# Altium PCB 一体机V1.PcbDoc (part 1 of 5) (continued)
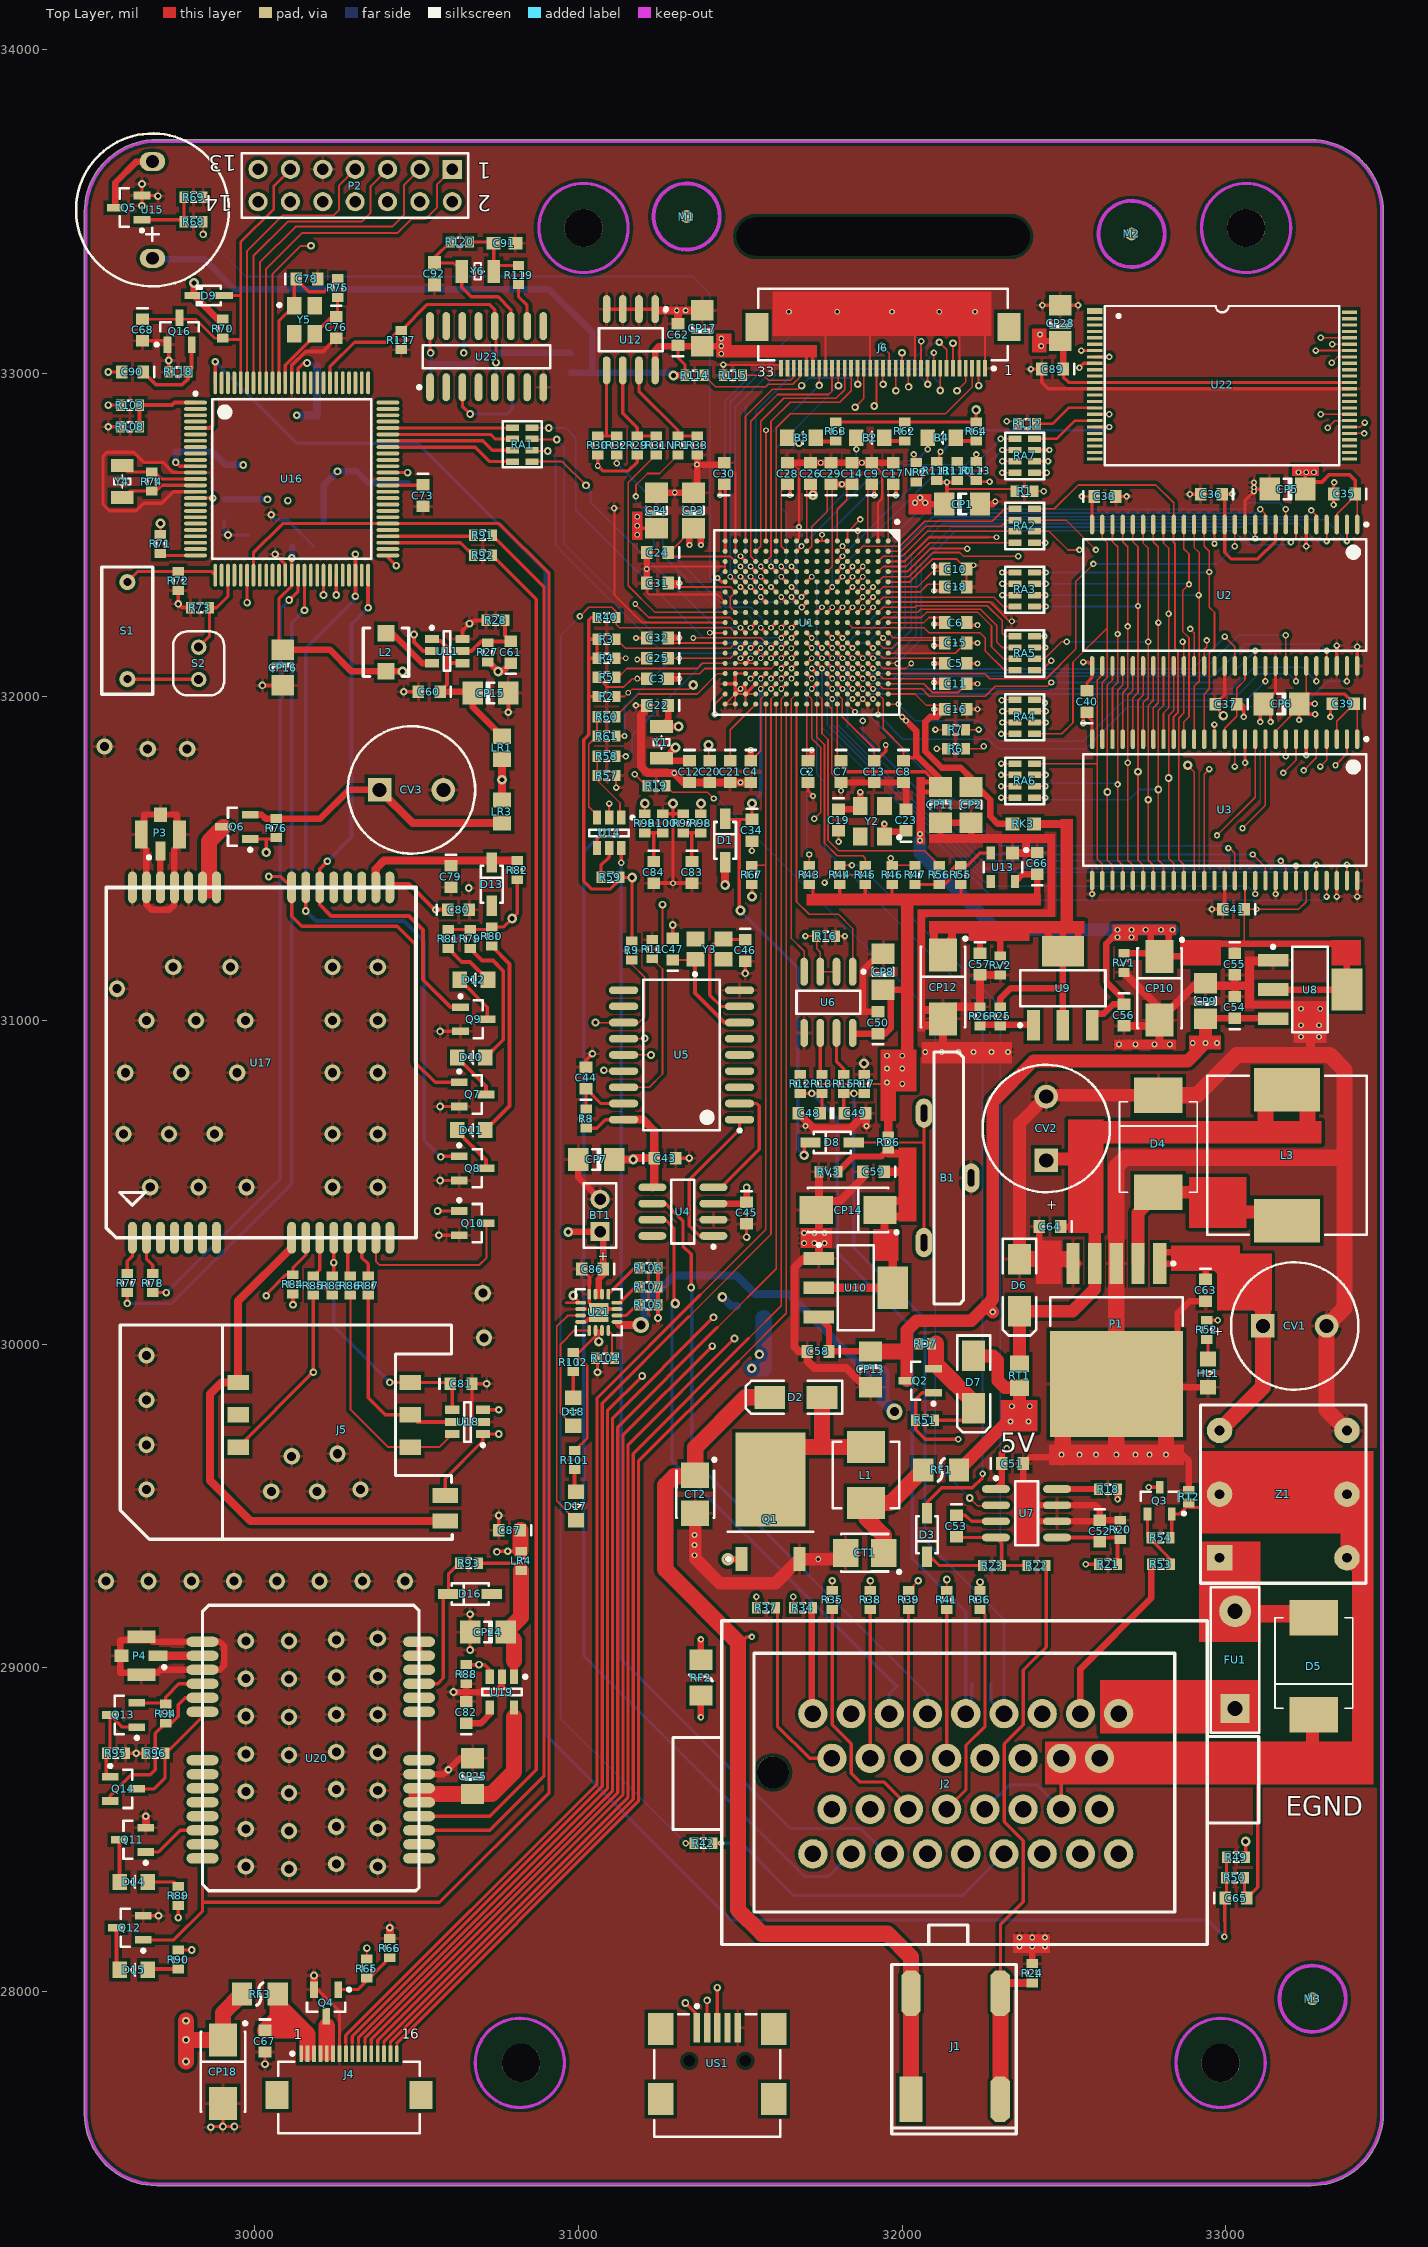
[diagram p0: Top Layer view]
## Components (designator, comment, footprint, x,y, rotation, side; value= is the part's Value field where it differs from the comment) (continued)
CP28 "10uF/16V" 3216[1206] 32488.9,33154.72 r90 top
CT1 "2.2uF/50V" 3528 31884.57,29355.51 r180 top
CT2 "2.2uF/50V" 3528 31360.95,29536.61 r270 top
CV1 "220uF/50V" CAPPR5-10x20/H1.1 33213.31,30056.3 r0 top
CV2 "470uF/35V" CAPPR5-10x20/H1.1 32445.59,30666.53 r90 top
CV3 "EEUFC1A122" CAPPR5-10x20/H1.1 30484.25,31712.6 r0 top
D1 "IN4148W" SOD123 31453.47,31556.3 r90 top
D2 "SS14" SMA 31671.97,29835.83 r180 top
D3 "IN4148W" SOD123 32077.48,29410.63 r270 top
D4 "SK56" DIODE_SMC 32792.05,30619.29 r270 top
D5 "SM8S48" DIODE_SMC 33272.36,29005.12 r90 top
D6 "P4SMA6.8A" SMA 32362.91,30182.28 r270 top
D7 "SS14" SMA 32221.18,29883.07 r270 top
D8 "IN4148W" SOD123 31784.17,30623.23 r180 top
D9 "1N4148W-V-GS08" SOD323 29858.27,33240.16 r180 top
D10 "LED2" 0805LED 30669.29,30885.83 r180 top
D11 "LED2" 0805LED 30669.29,30661.42 r180 top
D12 "LED2" 0805LED 30677.17,31125.98 r180 top
D13 "IN4148W" SOD123 30732.28,31421.26 r90 top
D14 "LED2" 0805LED 29625.98,28338.58 r180 top
D15 "LED2" 0805LED 29625.98,28066.93 r180 top
D16 "IN4148W" SOD123 30665.35,29228.35 r180 top
D17 "LED2" 0805LED 30992.13,29500 r270 top
D18 "LED2" 0805LED 30984.25,29791.34 r270 top
D19 "IN5408" DO-214AB/SMC 31791.34,29913.39 r180 bottom
FU1 "F1206HI2000V063T" RAD-0.3 33028.9,29024.53 r90 top
HL1 "RED" 0805LED 32945.59,29910.63 r270 top
J1 "JST" JST 32165.35,27830.71 r180 top
J2 "2-6447232-3" 2-6447232-3 32669.29,28425.2 r0 top locked
J4 "FFC16" FFC/SM0.5-2H16 30291.34,27744.09 r0 top
J5 "MUP-C745" MUP-C745 30480.32,29881.89 r270 top
J6 "FFC33" FFC/SM0.5-2H33 31940.94,33078.74 r180 top
L1 "CDRH5D28R/H125-330" INDP5050X28N 31888.51,29595.67 r90 top
L2 "CDRH2D18/HPNP-100NC" INDP3232 30405.51,32137.8 r90 top
L3 "B82477P4683M000" INDP125125X85N 33189.69,30583.86 r90 top
LR1 "MPZ2012S221A" 2012[0805]#1 30763.78,31842.52 r270 top
LR3 "MPZ2012S221A" 2012[0805]#1 30763.78,31645.67 r270 top
LR4 "MPZ1608S331A" 1608[0603]RV 30822.83,29330.71 r90 top
M1 "MARK" Mark 31334.65,33484.25 r0 top
M2 "MARK" Mark 32709.37,33430.31 r0 top
M3 "MARK" Mark 33268.43,27977.56 r0 top
NR1 "22R" 1608[0603]R 31307.8,32776.77 r270 top
NR2 "22R" 1608[0603]R 32044.02,32694.09 r90 top
P1 "LM2596SX-5.0" TS5B_N 32662.13,30012.99 r270 top
P2 "Header 7X2" HDR2X7 30610.24,33629.92 r180 top
P3 "COAX-M" MHF[MCB3]-V4 29708.66,31574.8 r0 top
P4 "COAX-M" MHF[MCB3]-V4 29649.61,29037.36 r90 top
Q1 "STU3030" TO-252AA_N 31593.23,29512.99 r90 top
Q2 "AO3416" SOT23_N 32055.83,29887.01 r180 top
Q3 "MMBT3904" SOT23-NPN 32795.99,29516.93 r0 top
Q4 "AO3416" SOT23_N 30220.47,27964.57 r270 top
Q5 "AO3416" SOT23_N 29610.24,33511.81 r180 top
Q6 "AO3401A" SOT23_N 29944.88,31598.43 r180 top
Q7 "PDTC143ET" SOT23_N 30673.23,30771.65 r0 top
Q8 "PDTC143ET" SOT23_N 30673.23,30543.31 r0 top
Q9 "PDTC143ET" SOT23_N 30677.17,31003.94 r0 top
Q10 "PDTC143ET" SOT23_N 30673.23,30374.02 r0 top
Q11 "PDTC143ET" SOT23_N 29622.05,28468.5 r180 top
Q12 "PDTC143ET" SOT23_N 29614.17,28196.85 r180 top
Q13 "MMBT3096" SOT23_N 29594.49,28854.33 r180 top
Q14 "MMBT3096" SOT23_N 29594.49,28625.98 r0 top
Q15 "AO3401A" SOT23_N 31531.5,30118.11 r180 bottom
Q16 "2N3904" SOT23_N 29767.72,33129.92 r90 top
R1 "10K" 1608[0603]R 32378.66,32635.04 r0 top
R2 "10K" 1608[0603]R 31087.32,32001.18 r0 top
R3 "10K" 1608[0603]R 31087.32,32178.35 r0 top
R4 "10K" 1608[0603]R 31087.32,32119.29 r0 top
R5 "10K" 1608[0603]R 31087.32,32060.24 r180 top
R6 "22R" 1608[0603]R 32166.06,31839.76 r0 top
R7 "22R" 1608[0603]R 32166.06,31898.82 r0 top
R8 "10K" 1608[0603]R 31023.62,30696.85 r90 top
R9 "100K" 1608[0603]R 31165.35,31216.54 r270 top
R10 "120R" 1608[0603]R 32015.75,28944.88 r0 bottom
R11 "100K" 1608[0603]R 31228.35,31220.47 r90 top
R12 "1K" 1608[0603]R 31685.75,30804.33 r90 top
R13 "22R" 1608[0603]R 31752.68,30804.33 r90 top
R14 "120R" 1608[0603]R 32244.8,28950 r0 bottom
R15 "22R" 1608[0603]R 31819.61,30804.33 r90 top
R16 "10K" 1608[0603]R 31764.49,31261.02 r0 top
R17 "1K" 1608[0603]R 31882.6,30804.33 r90 top
R18 "22R" 1608[0603]R 32636.54,29552.36 r180 top
R19 "22R" 1608[0603]R 31240.87,31725.59 r0 top
R20 "15K" 1608[0603]R 32673.94,29426.38 r270 top
R21 "300K" 1608[0603]R 32636.54,29320.08 r0 top
R22 "15K" 1608[0603]R 32416.06,29316.14 r180 top
R23 "300K" 1608[0603]R 32278.27,29316.14 r180 top
R24 "2R" 1608[0603]R 32402.28,28056.3 r90 top
R25 "510R" 1608[0603]R 32303.86,31012.99 r270 top
R26 "22R" 1608[0603]R 32240.87,31012.99 r90 top
R27 "TNPW0603453KBEEN" 1608[0603]R 30720.47,32137.8 r90 top
R28 "CRCW0603100KFKEA" 1608[0603]R 30744.09,32236.22 r180 top
R29 "10K" 1608[0603]R 31181.81,32776.77 r90 top
R30 "10K" 1608[0603]R 31059.77,32776.77 r90 top
R31 "22R" 1608[0603]R 31240.87,32776.77 r270 top
R32 "22R" 1608[0603]R 31118.82,32776.77 r270 top
R33 "10K" 1608[0603]R 31366.85,32776.77 r90 top
R34 "2R" 1608[0603]R 31693.62,29186.22 r180 top
R35 "2R" 1608[0603]R 31784.17,29209.84 r90 top
R36 "2R" 1608[0603]R 32240.87,29209.84 r90 top
R37 "2R" 1608[0603]R 31579.45,29186.22 r180 top
R38 "2R" 1608[0603]R 31902.28,29209.84 r90 top
R39 "2R" 1608[0603]R 32020.39,29209.84 r90 top
R40 "470K" 1608[0603]R 31087.32,32245.27 r0 top
R41 "2R" 1608[0603]R 32138.51,29209.84 r90 top
R42 "2R" 1608[0603]R 31386.54,28457.87 r180 top
R43 "10K" 1608[0603]R 31713.31,31450 r90 top
R44 "10K" 1608[0603]R 31807.8,31450 r90 top
R45 "10K" 1608[0603]R 31886.54,31450 r90 top
R46 "10K" 1608[0603]R 31969.21,31450 r90 top
R47 "510R" 1608[0603]R 32040.08,31450 r270 top
R49 "1M" 1608[0603]R 33032.21,28414.57 r0 top
R50 "47K" 1608[0603]R 33028.27,28351.57 r180 top
R51 "470K" 1608[0603]R 32071.58,29764.96 r180 top
R52 "10K" 1608[0603]R 32941.65,30044.49 r90 top
R53 "47K" 1608[0603]R 32799.92,29320.08 r0 top
R54 "10K" 1608[0603]R 32799.21,29401.57 r0 top
R55 "100K" 1608[0603]R 32181.81,31450 r90 top
R56 "22R" 1608[0603]R 32114.88,31450 r90 top
R57 "300K" 1608[0603]R 31087.32,31757.09 r0 top
R58 "22R" 1608[0603]R 31087.32,31816.14 r180 top
R59 "22R" 1608[0603]R 31099.14,31442.12 r0 top
R60 "22R" 1608[0603]R 31087.32,31938.19 r180 top
R61 "1.5K" 1608[0603]R 31087.32,31879.13 r0 top
R62 "1K" 1608[0603]R 32008.39,32820.08 r90 top
R63 "1K" 1608[0603]R 31795.79,32820.08 r90 top
R64 "1K" 1608[0603]R 32228.86,32820.08 r90 top
R65 "22R" 1608[0603]R 30346.46,28070.87 r90 top
R66 "470K" 1608[0603]R 30417.32,28133.86 r90 top
R67 "10K" 1608[0603]R 31536.14,31450 r90 top
R68 "22R" 1608[0603]R 29811.02,33468.5 r180 top
R69 "470K" 1608[0603]R 29811.02,33543.31 r0 top
R70 "CRCW060310K0FKEA" 1608[0603]R 29901.57,33137.8 r270 top
R71 "10K" 1608[0603]R 29708.66,32472.44 r270 top
R72 "CRCW06031M00FKEA" 1608[0603]R 29763.78,32358.27 r90 top
R73 "CRCW0603100KFKEA" 1608[0603]R 29830.71,32275.59 r0 top
R74 "10M" 1608[0603]R 29681.1,32665.35 r90 top
R75 "10M" 1608[0603]R 30255.91,33263.78 r270 top
R76 "CRCW0603100KFKEA" 1608[0603]R 30066.93,31594.49 r270 top
R77 "0R" 1608[0603]R 29606.3,30188.98 r270 top
R78 "0R" 1608[0603]R 29685.04,30188.98 r270 top
R79 "10K" 1608[0603]R 30665.35,31251.97 r90 top
R80 "10K" 1608[0603]R 30732.28,31259.84 r90 top
R81 "10K" 1608[0603]R 30598.43,31251.97 r90 top
R82 "10K" 1608[0603]R 30811.02,31464.57 r270 top
R83 "100K" 1608[0603]R 30240.16,30181.1 r270 top
R84 "100K" 1608[0603]R 30118.11,30185.04 r90 top
R85 "22R" 1608[0603]R 30181.1,30181.1 r270 top
R86 "22R" 1608[0603]R 30295.28,30181.1 r270 top
R87 "22R" 1608[0603]R 30350.39,30181.1 r270 top
R88 "100K" 1608[0603]R 30653.54,28980.31 r270 top
R89 "10K" 1608[0603]R 29763.78,28295.28 r270 top
R90 "10K" 1608[0603]R 29763.78,28098.43 r90 top
R91 "0R" 1608[0603]R 30704.72,32500 r180 top
R92 "0R" 1608[0603]R 30704.72,32437.01 r180 top
R93 "10K" 1608[0603]R 30661.42,29322.83 r0 top
R94 "22R" 1608[0603]R 29724.41,28858.27 r270 top
R95 "10K" 1608[0603]R 29570.87,28736.22 r180 top
R96 "100K" 1608[0603]R 29692.91,28736.22 r180 top
R97 "15K" 1608[0603]R 31323.54,31609.45 r90 top
R98 "22R" 1608[0603]R 31378.66,31609.45 r270 top
R99 "22R" 1608[0603]R 31205.43,31609.45 r270 top
R100 "15K" 1608[0603]R 31260.55,31609.45 r90 top
R101 "10K" 1608[0603]R 30988.19,29641.73 r90 top
R102 "10K" 1608[0603]R 30984.25,29944.88 r90 top
R103 "470K" 1608[0603]R 29614.17,32901.57 r0 top
R104 "1K1" 1608[0603]R 31082.68,29956.69 r180 top
R105 "51K" 1608[0603]R 31216.54,30122.05 r0 top
R106 "10K" 1608[0603]R 31216.54,30236.22 r0 top
R107 "680R" 1608[0603]R 31216.54,30177.17 r0 top
R108 "470K" 1608[0603]R 29614.17,32834.65 r180 top
R109 "CRCW0603100KFKEA" 1608[0603]R 31653.54,30122.05 r90 bottom
R110 "10K" 1608[0603]R 32170,32698.03 r90 top
R111 "100K" 1608[0603]R 32107.01,32698.03 r90 top
R112 "22R" 1608[0603]R 32386.54,32843.7 r180 top
R113 "22R" 1608[0603]R 32229.06,32698.03 r90 top
R114 "0R" 1608[0603]R 31358.98,32993.31 r0 top
R115 "0R" 1608[0603]R 31477.09,32993.31 r180 top
R116 "0R" 1608[0603]R 30976.38,33031.5 r90 bottom
R117 "100K" 1608[0603]R 30452.76,33102.36 r90 top
R118 "CRCW0603100KFKEA" 1608[0603]R 29763.78,33003.94 r180 top
R119 "CRCW0603100KFKEA" 1608[0603]R 30814.96,33303.15 r90 top
R120 "10M" 1608[0603]R 30633.86,33405.51 r0 top
RA1 "22R" R-AR4 30826.77,32779.53 r270 top
RA2 "22R" R-AR4 32378.66,32528.74 r90 top
RA3 "22R" R-AR4 32378.66,32331.89 r90 top
RA4 "22R" R-AR4 32378.66,31938.19 r90 top
RA5 "22R" R-AR4 32378.66,32135.04 r90 top
RA6 "22R" R-AR4 32378.66,31741.34 r90 top
RA7 "22R" R-AR4 32378.66,32745.27 r90 top
RD6 "0R" 1608[0603]RD 31957.4,30623.23 r90 top
RD7 "0R" 1608[0603]RD 32071.58,30001.18 r180 top
RF1 "NanoSMDC100F" 2012[0805]F 32120.79,29611.42 r180 top
RF2 "NanoSMDC035F" 2012[0805]F 31378.66,28969.68 r90 top
RF3 "NanoSMDC020F" 2012[0805]F 30015.75,27992.13 r180 top
RK3 "0R" 0603RT 32374.73,31607.48 r180 top
RT1 "0R" 2012[0805]#2 32362.91,29902.75 r270 top
RT2 "0R" 1608[0603]RD 32886.54,29528.74 r90 top
RV1 "8(6.4 to 9.6)" 1608[0603]RV 32685.75,31178.35 r90 top
RV2 "8(6.4 to 9.6)" 1608[0603]RV 32303.86,31170.47 r90 top
RV3 "8(6.4 to 9.6)" 1608[0603]RV 31772.36,30532.68 r0 top
S1 "SW-420" SW-420 29606.3,32204.72 r270 top
S2 "GM4526" GM4526 29826.77,32153.54 r270 top
U1 "S3C2440X" BGA289 31705.43,32229.53 r270 top
U2 "K4S561632C-TC75 (32MB)" TSOP80P1180X120-54N 32996.77,32314.17 r270 top
U3 "K4S561632C-TC75 (32MB)" TSOP80P1180X120-54N 32996.77,31650.79 r270 top
U4 "TJA1051T/3" SOIC-SN8_N 31322.83,30409.45 r180 top
U5 "MCP2515-E/SO" SOIC18W_N 31318.9,30893.7 r180 top
U6 "MAX3483E" NSO8_N 31772.36,31056.3 r270 top
U7 "BIT3251" SOIC-SN8_N 32384.57,29477.56 r0 top
U8 "LM1117IMPX-3.3/NOPB" MP04A_N 33260.55,31095.67 r0 top
U9 "LM1117IMPX-ADJ/NOPB" MP04A_N 32496.77,31099.61 r90 top
U10 "LM1117IMPX-3.3/NOPB" MP04A_N 31857.01,30174.41 r0 top
U11 "LTC3560ES6#TRMPBF" SOT26A-6N 30594.49,32141.73 r0 top
U12 "24C64CT/SN" SOIC8_N 31162.13,33103.54 r270 top
U13 "MAX811-EUS-T" SOT143_N 32311.73,31473.62 r270 top
U14 "USBLC6-2SC6" SOT26A-6N 31095.2,31579.92 r270 top
U15 "SPEAKER" Speaker 29683.9,33504.53 r90 top
U16 "MSP430F5438IPZ" TQFP100_N 30114.17,32673.23 r0 top
U17 "M72-D" M72D 30019.69,30870.08 r90 top
U18 "SMF05CT1G" SOT23-6_N 30657.48,29759.84 r180 top
U19 "LTC1844ES5-3.3" SOT23-5BN 30763.78,28925.2 r270 top
U20 "EB-5662RE" EB-5662RE 30173.23,28728.35 r0 top
U21 "BQ24073" BQ24073 31062.99,30098.43 r270 top
U22 "HY27UF082G2B" TSOP48 32988.9,32961.81 r0 top
U23 "CD4060BM" SOIC16_N 30716.54,33051.18 r90 top
U24 "CD4060BM" SOIC16_N 30720.47,33035.43 r270 bottom
US1 "USB-B" USB/SM0.8-6H5 31429.13,27578.74 r270 top
Y1 "FC-135" FC-135 31256.62,31859.45 r270 top
Y2 "FA-238V" FA-238V 31945.59,31568.11 r90 top
Y3 "FA-238" FA-238 31405.51,31220.47 r0 top
Y4 "FC-135_32.768K" FC-135 29590.55,32665.35 r90 top
Y5 "FA-238_16M" FA-238 30153.54,33165.35 r270 top
Y6 "FC-135_32.768K" FC-135 30688.98,33314.96 r0 top
Z1 "CXDA1-2-100" CXDA1-2-100 32981.03,29339.76 r0 top

## Footprints (in the part's own frame and the unit in brackets; to place one, negate y for a bottom-side part, rotate by r counter-clockwise, add the part's x,y. Pads: shape width x height; smd on the part's side, far side on the other; paste and mask are expansions set on the pad)
2-6447232-3 [mm]
  round 2.3 hole 1.3: 1(0,0) 2(-3,0) 3(-6,0) 4(-9,0) 5(-12,0) 6(-15,0) 7(-18,0) 8(-21,0) 9(-24,0) 10(-1.5,3.5) 11(-4.5,3.5) 12(-7.5,3.5) 13(-10.5,3.5) 14(-13.5,3.5) 15(-16.5,3.5) 16(-19.5,3.5) 17(-22.5,3.5) 18(-1.5,7.5) 19(-4.5,7.5) 20(-7.5,7.5) 21(-10.5,7.5) 22(-13.5,7.5) 23(-16.5,7.5) 24(-19.5,7.5) 25(-22.5,7.5) 26(0,11) 27(-3,11) 28(-6,11) 29(-9,11) 30(-12,11) 31(-15,11) 32(-18,11) 33(-21,11) 34(-24,11)
  round 2.5 hole 2.5 unplated: ""(-27.135,6.393)
  silkscreen extent -34.98,-7.11 11,18.29, body extent -34.97,-7.14 10.99,18.36, height 25
0603RT [mm]
  rect 1.1x1 smd: 1(-0.85,0) 2(0.85,0)
  body extent -1.3,-0.5 1.3,0.5, height 0.53
0805LED [mil]
  rect 45x50 smd: 1(-43.5,0) 2(43.5,0)
  silkscreen extent -5,-20 10,20, body extent -41,-18 41,18, height 33
1608[0603]#1 [mm]
  rect 0.9x1 smd: 1(-0.85,0) 2(0.85,0)
  silkscreen extent -1.7,-0.4 -1.7,0.4, body extent -1.3,-0.5 1.3,0.5, height 0.89
1608[0603]#2 [mm] "Chip  Body 1.6x0.8mm, IPC Medium Density"
  rect 1.1x1 smd: 1(-0.85,0) 2(0.85,0)
  body extent -1.3,-0.5 1.3,0.5, height 0.53
1608[0603]C [mm]
  rect 0.9x1 smd: 1(-0.85,0) 2(0.85,0)
  silkscreen extent -1.7,-0.4 -1.7,0.4, body extent -1.3,-0.5 1.3,0.5, height 0.89
1608[0603]CA [mm]
  rect 0.9x1 smd: 1(-0.85,0) 2(0.85,0)
  silkscreen extent -1.7,-0.4 0.05,0.4, body extent -1.3,-0.5 1.3,0.5, height 0.89
1608[0603]R [mm] "Chip Resistor, Body 1.6x0.8mm, IPC Medium Density"
  rect 0.7x0.9 smd: 1(-0.75,0) 2(0.75,0)
  silkscreen extent -0.2,-0.35 0.2,0.35, body extent -0.77,-0.42 0.78,0.43, height 0.45
1608[0603]RD [mm] "Chip Resistor, Body 1.6x0.8mm, IPC Medium Density"
  rect 0.7x0.9 smd: 1(-0.508,0) 2(0.508,0)
  silkscreen extent -0.15,0 0.13,0, body extent -0.77,-0.42 0.78,0.43, height 0.45
1608[0603]RV [mm] "Chip Resistor, Body 1.6x0.8mm, IPC Medium Density"
  rect 0.7x0.9 smd: 1(-0.75,0) 2(0.75,0)
  silkscreen extent -0.19,-0.37 0.18,0.4, body extent -0.77,-0.42 0.78,0.43, height 0.45
2012[0805]#1 [mm] "Chip  Body 2.0x1.3mm, IPC Medium Density"
  rect 1.2x1.4 smd: 1(-0.9,0) 2(0.9,0)
  body extent -1.07,-0.7 1.07,0.7, height 0.65
2012[0805]#2 [mm]
  rect 1.3x1.5 smd: 1(-0.95,0) 2(0.95,0)
  body extent -1.51,-0.7 1.49,0.7, height 0.53
2012[0805]F [mm]
  rect 1.6x1.8 smd: 1(-1.4,0) 2(1.4,0)
  silkscreen extent -0.25,-0.89 0.25,0.89, body extent -2.12,-0.9 2.08,0.9, height 0.63
3216[1206] [mm]
  rect 1.6x1.8 smd: 1(-1.4,0) 2(1.4,0)
  silkscreen extent -0.3,-0.8 0.3,0.8, body extent -2.1,-0.9 2.1,0.9, height 0.95
3216[1206]CB [mm]
  rect 1.6x1.8 smd: 1(-1.4,0) 2(1.4,0)
  silkscreen extent -0.3,-0.8 0.3,0.8, body extent -2.1,-0.9 2.1,0.9, height 0.95
3528 [mm]
  rect 2x2.2 smd: 1(-1.5,0) 2(1.5,0)
  silkscreen extent -2.83,-1.5 1.85,1.62, body extent -1.79,-1.31 1.9,1.51, height 2.74
6032[2312]CC [mm]
  rect 2.6x2.2 smd: 1(-2.5,0) 2(2.5,0)
  silkscreen extent -3.92,-1.75 3.15,1.88, body extent -3.13,-1.56 3.05,1.65, height 2.22
BAT-2 [mm]
  rect 1.5x1.5 hole 0.9: 1(-1.27,0)
  round 1.5 hole 0.9: 2(1.27,0)
  silkscreen extent -2.54,-1.27 2.54,1.27
BGA289 [mm] "BGA, 289-Leads, B"
  round 0.4 smd: A1(-6.4,6.4) A2(-5.6,6.4) A3(-4.8,6.4) A4(-4,6.4) A5(-3.2,6.4) A6(-2.4,6.4) A7(-1.6,6.4) A8(-0.8,6.4) A9(0,6.4) A10(0.8,6.4) A11(1.6,6.4) A12(2.4,6.4) A13(3.2,6.4) A14(4,6.4) A15(4.8,6.4) A16(5.6,6.4) A17(6.4,6.4) B1(-6.4,5.6) B2(-5.6,5.6) B3(-4.8,5.6) B4(-4,5.6) B5(-3.2,5.6) B6(-2.4,5.6) B7(-1.6,5.6) B8(-0.8,5.6) B9(0,5.6) B10(0.8,5.6) B11(1.6,5.6) B12(2.4,5.6) B13(3.2,5.6) B14(4,5.6) B15(4.8,5.6) B16(5.6,5.6) B17(6.4,5.6) C1(-6.4,4.8) C2(-5.6,4.8) C3(-4.8,4.8) C4(-4,4.8) C5(-3.2,4.8) C6(-2.4,4.8) C7(-1.6,4.8) C8(-0.8,4.8) C9(0,4.8) C10(0.8,4.8) C11(1.6,4.8) C12(2.4,4.8) C13(3.2,4.8) C14(4,4.8) C15(4.8,4.8) C16(5.6,4.8) C17(6.4,4.8) D1(-6.4,4) D2(-5.6,4) D3(-4.8,4) D4(-4,4) D5(-3.2,4) D6(-2.4,4) D7(-1.6,4) D8(-0.8,4) D9(0,4) D10(0.8,4) D11(1.6,4) D12(2.4,4) D13(3.2,4) D14(4,4) D15(4.8,4) D16(5.6,4) D17(6.4,4) E1(-6.4,3.2) E2(-5.6,3.2) E3(-4.8,3.2) E4(-4,3.2) E5(-3.2,3.2) E6(-2.4,3.2) E7(-1.6,3.2) E8(-0.8,3.2) E9(0,3.2) E10(0.8,3.2) E11(1.6,3.2) E12(2.4,3.2) E13(3.2,3.2) E14(4,3.2) E15(4.8,3.2) E16(5.6,3.2) E17(6.4,3.2) F1(-6.4,2.4) F2(-5.6,2.4) F3(-4.8,2.4) F4(-4,2.4) F5(-3.2,2.4) F6(-2.4,2.4) F7(-1.6,2.4) F8(-0.8,2.4) F9(0,2.4) F10(0.8,2.4) F11(1.6,2.4) F12(2.4,2.4) F13(3.2,2.4) F14(4,2.4) F15(4.8,2.4) F16(5.6,2.4) F17(6.4,2.4) G1(-6.4,1.6) G2(-5.6,1.6) G3(-4.8,1.6) G4(-4,1.6) G5(-3.2,1.6) G6(-2.4,1.6) G7(-1.6,1.6) G8(-0.8,1.6) G9(0,1.6) G10(0.8,1.6) G11(1.6,1.6) G12(2.4,1.6) G13(3.2,1.6) G14(4,1.6) G15(4.8,1.6) G16(5.6,1.6) G17(6.4,1.6) H1(-6.4,0.8) H2(-5.6,0.8) H3(-4.8,0.8) H4(-4,0.8) H5(-3.2,0.8) H6(-2.4,0.8) H7(-1.6,0.8) H8(-0.8,0.8) H9(0,0.8) H10(0.8,0.8) H11(1.6,0.8) H12(2.4,0.8) H13(3.2,0.8) H14(4,0.8) H15(4.8,0.8) H16(5.6,0.8) H17(6.4,0.8) J1(-6.4,0) J2(-5.6,0) J3(-4.8,0) J4(-4,0) J5(-3.2,0) J6(-2.4,0) J7(-1.6,0) J8(-0.8,0) J9(0,0) J10(0.8,0) J11(1.6,0) J12(2.4,0) J13(3.2,0) J14(4,0) J15(4.8,0) J16(5.6,0) J17(6.4,0) K1(-6.4,-0.8) K2(-5.6,-0.8) K3(-4.8,-0.8) K4(-4,-0.8) K5(-3.2,-0.8) K6(-2.4,-0.8) K7(-1.6,-0.8) K8(-0.8,-0.8) K9(0,-0.8) K10(0.8,-0.8) K11(1.6,-0.8) K12(2.4,-0.8) K13(3.2,-0.8) K14(4,-0.8) K15(4.8,-0.8) K16(5.6,-0.8) K17(6.4,-0.8) L1(-6.4,-1.6) L2(-5.6,-1.6) L3(-4.8,-1.6) L4(-4,-1.6) L5(-3.2,-1.6) L6(-2.4,-1.6) L7(-1.6,-1.6) L8(-0.8,-1.6) L9(0,-1.6) L10(0.8,-1.6) L11(1.6,-1.6) L12(2.4,-1.6) L13(3.2,-1.6) L14(4,-1.6) L15(4.8,-1.6) L16(5.6,-1.6) L17(6.4,-1.6) M1(-6.4,-2.4) M2(-5.6,-2.4) M3(-4.8,-2.4) M4(-4,-2.4) M5(-3.2,-2.4) M6(-2.4,-2.4) M7(-1.6,-2.4) M8(-0.8,-2.4) M9(0,-2.4) M10(0.8,-2.4) M11(1.6,-2.4) M12(2.4,-2.4) M13(3.2,-2.4) M14(4,-2.4) M15(4.8,-2.4) M16(5.6,-2.4) M17(6.4,-2.4) N1(-6.4,-3.2) N2(-5.6,-3.2) N3(-4.8,-3.2) N4(-4,-3.2) N5(-3.2,-3.2) N6(-2.4,-3.2) N7(-1.6,-3.2) N8(-0.8,-3.2) N9(0,-3.2) N10(0.8,-3.2) N11(1.6,-3.2) N12(2.4,-3.2) N13(3.2,-3.2) N14(4,-3.2) N15(4.8,-3.2) N16(5.6,-3.2) N17(6.4,-3.2) P1(-6.4,-4) P2(-5.6,-4) P3(-4.8,-4) P4(-4,-4) P5(-3.2,-4) P6(-2.4,-4) P7(-1.6,-4) P8(-0.8,-4) P9(0,-4) P10(0.8,-4) P11(1.6,-4) P12(2.4,-4) P13(3.2,-4) P14(4,-4) P15(4.8,-4) P16(5.6,-4) P17(6.4,-4) R1(-6.4,-4.8) R2(-5.6,-4.8) R3(-4.8,-4.8) R4(-4,-4.8) R5(-3.2,-4.8) R6(-2.4,-4.8) R7(-1.6,-4.8) R8(-0.8,-4.8) R9(0,-4.8) R10(0.8,-4.8) R11(1.6,-4.8) R12(2.4,-4.8) R13(3.2,-4.8) R14(4,-4.8) R15(4.8,-4.8) R16(5.6,-4.8) R17(6.4,-4.8) T1(-6.4,-5.6) T2(-5.6,-5.6) T3(-4.8,-5.6) T4(-4,-5.6) T5(-3.2,-5.6) T6(-2.4,-5.6) T7(-1.6,-5.6) T8(-0.8,-5.6) T9(0,-5.6) T10(0.8,-5.6) T11(1.6,-5.6) T12(2.4,-5.6) T13(3.2,-5.6) T14(4,-5.6) T15(4.8,-5.6) T16(5.6,-5.6) T17(6.4,-5.6) U1(-6.4,-6.4) U2(-5.6,-6.4) U3(-4.8,-6.4) U4(-4,-6.4) U5(-3.2,-6.4) U6(-2.4,-6.4) U7(-1.6,-6.4) U8(-0.8,-6.4) U9(0,-6.4) U10(0.8,-6.4) U11(1.6,-6.4) U12(2.4,-6.4) U13(3.2,-6.4) U14(4,-6.4) U15(4.8,-6.4) U16(5.6,-6.4) U17(6.4,-6.4)
  silkscreen extent -8.02,-7.25 7.25,7.25, body extent -7.25,-7.25 7.25,7.25, height 1.22
BQ24073 [mm]
  oval 0.85x0.3 smd: 1(-1.425,0.75) 2(-1.425,0.25) 3(-1.425,-0.25) 4(-1.425,-0.75) 9(1.425,-0.75) 10(1.425,-0.25) 11(1.425,0.25) 12(1.425,0.75)
  oval 0.3x0.85 smd: 5(-0.75,-1.425) 6(-0.25,-1.425) 7(0.25,-1.425) 8(0.75,-1.425) 13(0.75,1.425) 14(0.25,1.425) 15(-0.25,1.425) 16(-0.75,1.425)
  rect 1.5x1.5 smd: 8(0,0)
  round 0.3 on Top Overlay: 12(-1.27,1.27)
  round 0.25 all layers, no hole: ""(-0.508,0.508) ""(-0.508,-0.508) ""(0,0) ""(0.508,0.508) ""(0.508,-0.508)
  silkscreen extent -1.8,-1.8 1.8,1.8
BR2032-1GV [mm]
  oval 2.3x1.3 hole 0.5 slot 1.35 at 0 deg: 1(0,0) 1(10.16,0) 2(5.08,3.7)
  silkscreen extent -4.8,0.8 14.99,3.1, body extent -4.93,-0.1 15.09,3.71, height 21.51
CAPPR5-10x20/H1.1 [mm] "Capacitor, Electrolytic, Radial; Body 10 x 20 mm (Dia.xH typ); Pin S"
  rect 1.85x1.85 hole 1.1: 1(-2.5,0)
  round 1.85 hole 1.1: 2(2.5,0)
  silkscreen extent -5,-5 5,5
CXDA1-2-100 [mm]
  rect 2x2 hole 0.762: 1(0,0)
  round 2 hole 0.762: 2(0,5) 3(0,10) 4(10,0) 5(10,5) 6(10,10)
  silkscreen extent -1.5,-2 11.5,12
DIODE_SMC [mil]
  rect 110x150 smd: 1(-150,0) 2(150,0)
  silkscreen extent -130,-120 150,120
DO-214AB/SMC [mil] "DO-214-AB/SMC; 2 C-Bend Leads; Body 7.9 x 5.9 mm, inc. leads (LxW)"
  rect 110x150 smd: 1(-150,0) 2(150,0)
  silkscreen extent -150,-120 130,120, body extent -170,-124 150,124, height 50
EB-5662RE [mm]
  oval 2.5x0.8 smd: 1(8.5,-8.051) 2(8.5,-6.951) 3(8.5,-5.851) 4(8.5,-4.751) 5(8.5,-3.651) 6(8.5,-2.551) 7(8.5,-1.451) 8(8.5,-0.351) 9(8.5,3.449) 10(8.5,4.549) 11(8.5,5.649) 12(8.5,6.749) 13(8.5,7.849) 14(8.5,8.949) 15(-8.5,8.949) 16(-8.5,7.849) 17(-8.5,6.749) 18(-8.5,5.649) 19(-8.5,4.549) 20(-8.5,3.449) 21(-8.5,-0.351) 22(-8.5,-1.451) 23(-8.5,-2.551) 24(-8.5,-3.651) 25(-8.5,-4.751) 26(-8.5,-5.851) 27(-8.5,-6.951) 28(-8.5,-8.051)
  round 1.3 on Top Overlay: 3(5.588,-8.949)
  round 1 on Top Overlay: ""(9.398,-9.33)
  silkscreen extent -8.51,-10.59 8.5,11.81
FA-238 [mm] "Quartz Crystal, SM; Body 3.4 x 2.7 mm (LxW max)"
  rect 1.4x1.15 smd: 1(-1.1,-0.8) 2(1.1,-0.8) 3(1.1,0.8) 4(-1.1,0.8)
  silkscreen extent -1.27,-2.09 -1.02,-1.84
FA-238V [mm] "Quartz Crystal, SM; Body 3.4 x 2.7 mm (LxW max)"
  rect 1.4x1.15 smd: 1(0,0) 2(2.4,0) 3(2.4,1.9) 4(0,1.9)
  silkscreen extent -0.17,-1.29 0.08,-1.04
FC-135 [mm] "Quartz Crystal, SM; 2 Leads; Body 3.5 x 1.5 x 0.8mm (LxWxH)"
  rect 1x1.8 smd: 1(-1.25,0) 2(1.25,0)
  silkscreen extent -0.51,-0.64 0.51,0.64
FFC/SM0.5-2H16 [mm]
  rect 0.3x1.3 smd: 1(-3.75,1.625) 2(-3.25,1.625) 3(-2.75,1.625) 4(-2.25,1.625) 5(-1.75,1.625) 6(-1.25,1.625) 7(-0.75,1.625) 8(-0.25,1.625) 9(0.25,1.625) 10(0.75,1.625) 11(1.25,1.625) 12(1.75,1.625) 13(2.25,1.625) 14(2.75,1.625) 15(3.25,1.625) 16(3.75,1.625)
  rect 1.8x2.2 smd: 17(-5.65,-1.625) 18(5.65,-1.625)
  silkscreen extent -5.55,-4.62 5.55,1.75, body extent -5.55,-4.62 5.55,0.97, height 2
FFC/SM0.5-2H33 [mm]
  rect 0.3x1.3 smd: 1(-8,1.625) 2(-7.5,1.625) 3(-7,1.625) 4(-6.5,1.625) 5(-6,1.625) 6(-5.5,1.625) 7(-5,1.625) 8(-4.5,1.625) 9(-4,1.625) 10(-3.5,1.625) 11(-3,1.625) 12(-2.5,1.625) 13(-2,1.625) 14(-1.5,1.625) 15(-1,1.625) 16(-0.5,1.625) 17(0,1.625) 18(0.5,1.625) 19(1,1.625) 20(1.5,1.625) 21(2,1.625) 22(2.5,1.625) 23(3,1.625) 24(3.5,1.625) 25(4,1.625) 26(4.5,1.625) 27(5,1.625) 28(5.5,1.625) 29(6,1.625) 30(6.5,1.625) 31(7,1.625) 32(7.5,1.625) 33(8,1.625)
  rect 1.8x2.2 smd: 34(-9.9,-1.625) 35(9.9,-1.625)
  silkscreen extent -9.8,-4.63 9.8,1.75, body extent -9.8,-4.62 9.8,0.97, height 2
GM4526 [mm]
  round 1.2 hole 0.7: 1(0,0) 2(2.54,0)
  silkscreen extent -1.23,-2 3.77,2
HDR2X7 [mm] "Connector; Header; 7x2 Position"
  rect 1.5x1.5 hole 0.9: 1(0,0)
  round 1.5 hole 0.9: 2(0,2.54) 3(2.54,0) 4(2.54,2.54) 5(5.08,0) 6(5.08,2.54) 7(7.62,0) 8(7.62,2.54) 9(10.16,0) 10(10.16,2.54) 11(12.7,0) 12(12.7,2.54) 13(15.24,0) 14(15.24,2.54)
  silkscreen extent -1.27,-1.27 16.51,3.81
INDP3232 [mm]
  rect 1.3x1.3 smd: 1(-1.5,0) 2(1.5,0)
  silkscreen extent -1.91,-1.78 1.91,1.78, body extent -2.15,-2.18 2.2,2.18, height 2
INDP5050X28N [mm]
  rect 2.5x3 smd: 1(-2.2,0) 2(2.2,0)
  silkscreen extent -2.6,-2.6 2.6,2.6, body extent -1.56,-1.53 1.51,1.54, height 2
INDP125125X85N [mm]
  rect 3.4x5.2 smd: 1(-5.15,0) 2(5.15,0)
  silkscreen extent -6.25,-6.25 6.25,6.25, body extent -6.11,-6.13 6.19,6.17, height 5.5
JST [mm]
  rect 1.8x3.6 smd: 1(3.5,4.161)
  oct 1.524x3.6 smd: 1(3.5,-4.161) 2(-3.5,4.161) 2(-3.5,-4.161)
  silkscreen extent -4.77,-6.43 5,6.89, body extent -4.84,-6.41 4.99,6.95, height 1.27
M72D [mm]
  oval 2.5x0.7 smd: 1(-13.75,10.1) 2(-13.75,9) 3(-13.75,7.9) 4(-13.75,6.8) 5(-13.75,5.7) 6(-13.75,4.6) 7(-13.75,3.5) 8(-13.75,-2.4) 9(-13.75,-3.5) 10(-13.75,-4.6) 11(-13.75,-5.7) 12(-13.75,-6.8) 13(-13.75,-7.9) 14(-13.75,-9) 15(-13.75,-10.1) 16(13.75,-10.1) 17(13.75,-9) 18(13.75,-7.9) 19(13.75,-6.8) 20(13.75,-5.7) 21(13.75,-4.6) 22(13.75,-3.5) 23(13.75,-2.4) 24(13.75,3.5) 25(13.75,4.6) 26(13.75,5.7) 27(13.75,6.8) 28(13.75,7.9) 29(13.75,9) 30(13.75,10.1)
  silkscreen extent -13.75,-12.15 13.75,12.15
Mark [mm]
  round 1 smd paste+0 mask+2: 1(0,0)
  Top Layer keep-out circle w0.3: c0,0 r2.6
MHF[MCB3]-V4 [mm] "Connector; RF Coaxial, MCB SM; 4 Position; Vertical, Body 3.1x3.0mm (LxW)"
  rect 0.8x1.5 smd: 1(0,-1.3)
  rect 1x2.2 smd: 2(-1.5,0) 4(1.5,0)
  rect 1x1.1 smd: 3(0,1.55)
  silkscreen extent -1.02,-1.92 -0.77,-1.68, body extent -1.3,-1.3 1.3,1.3, height 1.3
MP04A_N [mm] "SOT223, 4-Leads, Body 6.5x3.5mm, Pitch 2.3mm, Lead Span 7mm, IPC Medium Density"
  rect 2.4x1 smd: 1(-2.9,2.3) 2(-2.9,0) 3(-2.9,-2.3)
  rect 2.4x3.3 smd: 4(2.9,0)
  silkscreen extent -3.02,-3.35 1.4,3.47, body extent -1.85,-3.35 1.85,3.35, height 1.8
MUP-C745 [mm]
  rect 1.2x1.7 smd: 1(0,0) 2(2.54,0) 3(5.08,0) 5(0,-13.5) 6(2.54,-13.5) 7(5.08,-13.5)
  oval 1.2x1.7 on Top Overlay: 3(-3.429,1.397)
  rect 1.2x2 smd: 4(8.88,2.75) 8(10.88,2.75)
  silkscreen extent -4.5,-22.75 12.32,3.3
NSO8_N [mm]
  oval 2.2x0.6 smd: 1(-2.4,1.905) 2(-2.4,0.635) 3(-2.4,-0.635) 4(-2.4,-1.905) 5(2.4,-1.905) 6(2.4,-0.635) 7(2.4,0.635) 8(2.4,1.905)
  silkscreen extent -2.52,-2.5 0.9,2.88, body extent -2,-2.5 2,2.5, height 1.75
R-AR4 [mil]
  rect 19.68x40 smd: 1(-52.5,-30) 2(-17.5,-30) 3(17.5,-30) 4(52.5,-30) 5(52.5,30) 6(17.5,30) 7(-17.5,30) 8(-52.5,30)
  silkscreen extent -73,-60 71,60, body extent -63,-33 63,30, height 22
RAD-0.3 [mm]
  rect 2.3x2.3 hole 1.2: 1(-3.81,0)
  round 2.5 hole 1.2: 2(3.81,0)
  silkscreen extent -5.71,-1.91 5.71,1.91
SMA [mm]
  rect 2.4x1.8 smd: 1(-2.05,0) 2(2.05,0)
  silkscreen extent -3.65,-1.3 3.95,1.3
SOD123 [mm] "SOD-123; 2 Leads; Body 2.7 x 1.6 mm, (LxW)"
  rect 1.6x0.8 smd: 1(-1.7,0) 2(1.7,0)
  silkscreen extent -1.45,-0.85 1.45,0.85
SOD323 [mm] "SOD-323/SC-76; 2 Leads; Body 1.7 x 1.3 mm, (LxW)"
  rect 1.45x0.55 smd: 1(-1.175,0) 2(1.175,0)
  silkscreen extent -0.95,-0.75 0.95,0.75
SOIC8_N [mm] "SOIC, 8-Leads, Body 4.9x3.9mm, Pitch 1.27mm, IPC Medium Density"
  oval 2.2x0.6 smd: 1(-2.4,1.905) 2(-2.4,0.635) 3(-2.4,-0.635) 4(-2.4,-1.905) 5(2.4,-1.905) 6(2.4,-0.635) 7(2.4,0.635) 8(2.4,1.905)
  silkscreen extent -2.52,-2.5 0.9,2.88, body extent -3,-2.45 3,2.45, height 1.7
SOIC16_N [mm] "SOIC, 16-Leads, Body 9.9x3.9mm, Pitch 1.27mm, IPC Medium Density"
  oval 2.2x0.6 smd: 1(-2.4,4.445) 2(-2.4,3.175) 3(-2.4,1.905) 4(-2.4,0.635) 5(-2.4,-0.635) 6(-2.4,-1.905) 7(-2.4,-3.175) 8(-2.4,-4.445) 9(2.4,-4.445) 10(2.4,-3.175) 11(2.4,-1.905) 12(2.4,-0.635) 13(2.4,0.635) 14(2.4,1.905) 15(2.4,3.175) 16(2.4,4.445)
  silkscreen extent -2.52,-5 0.9,5.42, body extent -2,-5 2,5, height 1.75
SOIC18W_N [mm] "SOIC, 18-Leads, Body 12x7.62mm, Pitch 1.27mm, IPC Medium Density"
  oval 2.3x0.6 smd: 1(-4.55,5.08) 2(-4.55,3.81) 3(-4.55,2.54) 4(-4.55,1.27) 5(-4.55,0) 6(-4.55,-1.27) 7(-4.55,-2.54) 8(-4.55,-3.81) 9(-4.55,-5.08) 10(4.55,-5.08) 11(4.55,-3.81) 12(4.55,-2.54) 13(4.55,-1.27) 14(4.55,0) 15(4.55,1.27) 16(4.55,2.54) 17(4.55,3.81) 18(4.55,5.08)
  silkscreen extent -4.67,-5.9 3,6.05, body extent -3.8,-5.95 3.8,5.95, height 2.65
SOIC-SN8_N [mm]
  oval 2.2x0.6 smd: 1(-2.4,1.905) 2(-2.4,0.635) 3(-2.4,-0.635) 4(-2.4,-1.905) 5(2.4,-1.905) 6(2.4,-0.635) 7(2.4,0.635) 8(2.4,1.905)
  silkscreen extent -2.53,-2.5 0.9,2.88, body extent -3,-2.45 3,2.45, height 1.7
SOT23-5BN [mm] "SOT23, 5-Leads, Body 2.9x1.6mm, P"
  rect 1.1x0.65 smd: 1(-1.2,0.95) 2(-1.2,0) 3(-1.2,-0.95) 4(1.2,-0.95) 5(1.2,0.95)
  silkscreen extent -1.32,-1.55 0.25,1.95, body extent -0.9,-1.55 0.9,1.55, height 1.19
SOT23-6_N [mm] "SOT23, 6-Leads, Body 2.9x1.6mm, Pitch 0.95mm, Lead Span 2.7mm, IPC Medium Density"
  rect 1.1x0.65 smd: 1(-1.2,0.95) 2(-1.2,0) 3(-1.2,-0.95) 4(1.2,-0.95) 5(1.2,0) 6(1.2,0.95)
  silkscreen extent -1.33,-1.55 0.25,1.95, body extent -0.9,-1.55 0.9,1.55, height 1.45
SOT23-NPN [mm]
  rect 0.6x1 smd: 1(0.95,-1.05) 2(-0.95,-1.05) 3(0,1.05)
  silkscreen extent -1.5,-1.14 2.03,0.7
SOT23_N [mm] "SOT23, 3-Leads, Body 2.9x1.3mm, Pitch 0.95mm, Lead Span 2.3mm, IPC Medium Density"
  rect 1.3x0.6 smd: 1(-1.05,0.95) 2(-1.05,-0.95) 3(1.05,0)
  silkscreen extent -1.18,-1.5 0.7,1.92, body extent -0.7,-1.5 0.7,1.5, height 1.1
SOT26A-6N [mm] "SOT23, 6-Leads, Body 2.9x1.7mm, Pitch 0.95mm, Lead Span 2.8mm, IPC Medium Density"
  rect 1.1x0.65 smd: 1(-1.2,0.95) 2(-1.2,0) 3(-1.2,-0.95) 4(1.2,-0.95) 5(1.2,0) 6(1.2,0.95)
  silkscreen extent -1.32,-1.55 0.25,1.95, body extent -0.9,-1.55 0.9,1.55, height 1.45
SOT143_N [mm]
  rect 1x1.05 smd: 1(-1.125,0.75)
  rect 1x0.65 smd: 2(-1.125,-0.95) 3(1.125,-0.95) 4(1.125,0.95)
  silkscreen extent -1.47,-1.5 0.4,1.95, body extent -0.7,-1.52 0.7,1.52, height 1.2
Speaker [mm]
  oval 1.5x2 hole 1: 1(-3.8,0) 2(3.8,0)
  silkscreen extent -6,-6 6,6
SW-420 [mil]
  round 50 hole 25: 1(-150,0) 2(150,0)
  silkscreen extent -197,-79 197,79
TO-252AA_N [mm] "D-PAK, 4-Leads, Body 6.1x6.5mm, Pitch 2.28mm, Lead Span 9.9mm, IPC Medium Density"
  rect 1.9x0.95 smd: 1(-4.5,2.28) 3(-4.5,-2.28)
  rect 7.4x5.5 smd: 4(1.75,0)
  silkscreen extent -4.62,-3.35 -2.35,3.43, body extent -2.25,-3.37 4.1,3.37, height 2.38
TQFP100_N [mm] "100-Pin Plastic Thin Quad Flat Pa"
  oval 1.8x0.3 smd: 1(-7.55,6) 2(-7.55,5.5) 3(-7.55,5) 4(-7.55,4.5) 5(-7.55,4) 6(-7.55,3.5) 7(-7.55,3) 8(-7.55,2.5) 9(-7.55,2) 10(-7.55,1.5) 11(-7.55,1) 12(-7.55,0.5) 13(-7.55,0) 14(-7.55,-0.5) 15(-7.55,-1) 16(-7.55,-1.5) 17(-7.55,-2) 18(-7.55,-2.5) 19(-7.55,-3) 20(-7.55,-3.5) 21(-7.55,-4) 22(-7.55,-4.5) 23(-7.55,-5) 24(-7.55,-5.5) 25(-7.55,-6) 51(7.55,-6) 52(7.55,-5.5) 53(7.55,-5) 54(7.55,-4.5) 55(7.55,-4) 56(7.55,-3.5) 57(7.55,-3) 58(7.55,-2.5) 59(7.55,-2) 60(7.55,-1.5) 61(7.55,-1) 62(7.55,-0.5) 63(7.55,0) 64(7.55,0.5) 65(7.55,1) 66(7.55,1.5) 67(7.55,2) 68(7.55,2.5) 69(7.55,3) 70(7.55,3.5) 71(7.55,4) 72(7.55,4.5) 73(7.55,5) 74(7.55,5.5) 75(7.55,6)
  oval 0.3x1.8 smd: 26(-6,-7.55) 27(-5.5,-7.55) 28(-5,-7.55) 29(-4.5,-7.55) 30(-4,-7.55) 31(-3.5,-7.55) 32(-3,-7.55) 33(-2.5,-7.55) 34(-2,-7.55) 35(-1.5,-7.55) 36(-1,-7.55) 37(-0.5,-7.55) 38(0,-7.55) 39(0.5,-7.55) 40(1,-7.55) 41(1.5,-7.55) 42(2,-7.55) 43(2.5,-7.55) 44(3,-7.55) 45(3.5,-7.55) 46(4,-7.55) 47(4.5,-7.55) 48(5,-7.55) 49(5.5,-7.55) 50(6,-7.55) 76(6,7.55) 77(5.5,7.55) 78(5,7.55) 79(4.5,7.55) 80(4,7.55) 81(3.5,7.55) 82(3,7.55) 83(2.5,7.55) 84(2,7.55) 85(1.5,7.55) 86(1,7.55) 87(0.5,7.55) 88(0,7.55) 89(-0.5,7.55) 90(-1,7.55) 91(-1.5,7.55) 92(-2,7.55) 93(-2.5,7.55) 94(-3,7.55) 95(-3.5,7.55) 96(-4,7.55) 97(-4.5,7.55) 98(-5,7.55) 99(-5.5,7.55) 100(-6,7.55)
  silkscreen extent -7.67,-6.25 6.25,6.82, body extent -7,-7 7,7, height 1.2
TS5B_N [mm]
  rect 3.2x1.05 smd: 1(-6,3.4) 2(-6,1.7) 3(-6,0) 4(-6,-1.7) 5(-6,-3.4)
  rect 8.3x10.45 smd: 6(3.45,0)
  silkscreen extent -6.12,-5.2 -1.1,5.2, body extent -3.35,-5.2 6.05,5.2, height 4.65
TSOP48 [mm]
  rect 1.2x0.45 smd: 1(-10,5.85)
  rect 1.2x0.25 smd: 2(-10,5.25) 3(-10,4.75) 4(-10,4.25) 5(-10,3.75) 6(-10,3.25) 7(-10,2.75) 8(-10,2.25) 9(-10,1.75) 10(-10,1.25) 11(-10,0.75) 12(-10,0.25) 13(-10,-0.25) 14(-10,-0.75) 15(-10,-1.25) 16(-10,-1.75) 17(-10,-2.25) 18(-10,-2.75) 19(-10,-3.25) 20(-10,-3.75) 21(-10,-4.25) 22(-10,-4.75) 23(-10,-5.25) 24(-10,-5.75) 25(10,-5.75) 26(10,-5.25) 27(10,-4.75) 28(10,-4.25) 29(10,-3.75) 30(10,-3.25) 31(10,-2.75) 32(10,-2.25) 33(10,-1.75) 34(10,-1.25) 35(10,-0.75) 36(10,-0.25) 37(10,0.25) 38(10,0.75) 39(10,1.25) 40(10,1.75) 41(10,2.25) 42(10,2.75) 43(10,3.25) 44(10,3.75) 45(10,4.25) 46(10,4.75) 47(10,5.25) 48(10,5.75)
  silkscreen extent -9.2,-6.25 9.2,6.25, body extent -10.08,-6.01 10.02,6.09, height 1.2
TSOP80P1180X120-54N [mm]
  oval 1.55x0.34 smd: 1(-5.55,10.4) 2(-5.55,9.6) 3(-5.55,8.8) 4(-5.55,8) 5(-5.55,7.2) 6(-5.55,6.4) 7(-5.55,5.6) 8(-5.55,4.8) 9(-5.55,4) 10(-5.55,3.2) 11(-5.55,2.4) 12(-5.55,1.6) 13(-5.55,0.8) 14(-5.55,0) 15(-5.55,-0.8) 16(-5.55,-1.6) 17(-5.55,-2.4) 18(-5.55,-3.2) 19(-5.55,-4) 20(-5.55,-4.8) 21(-5.55,-5.6) 22(-5.55,-6.4) 23(-5.55,-7.2) 24(-5.55,-8) 25(-5.55,-8.8) 26(-5.55,-9.6) 27(-5.55,-10.4) 28(5.55,-10.4) 29(5.55,-9.6) 30(5.55,-8.8) 31(5.55,-8) 32(5.55,-7.2) 33(5.55,-6.4) 34(5.55,-5.6) 35(5.55,-4.8) 36(5.55,-4) 37(5.55,-3.2) 38(5.55,-2.4) 39(5.55,-1.6) 40(5.55,-0.8) 41(5.55,0) 42(5.55,0.8) 43(5.55,1.6) 44(5.55,2.4) 45(5.55,3.2) 46(5.55,4) 47(5.55,4.8) 48(5.55,5.6) 49(5.55,6.4) 50(5.55,7.2) 51(5.55,8) 52(5.55,8.8) 53(5.55,9.6) 54(5.55,10.4)
  silkscreen extent -5.67,-11.1 4.37,11.25, body extent -5.86,-11.11 5.9,11.11, height 1.25
USB/SM0.8-6H5 [mm] "Connector; USB2.0, Type B, SM; 5 Position; Right Angle"
  rect 2.3x0.5 smd: 1(-7.85,-1.6) 2(-7.85,-0.8) 3(-7.85,0) 4(-7.85,0.8) 5(-7.85,1.6)
  rect 2.5x2 smd: 6(-7.75,4.45) 7(-2.25,4.45) 8(-7.75,-4.45) 9(-2.25,-4.45)
  round 0.6 hole 0.9 unplated: MH1(-5.25,2.2) MH2(-5.25,-2.2)
  silkscreen extent -9.67,-4.95 0.7,4.95, body extent -8.9,-4.95 0.7,4.95, height 3.9